# Altium PCB PCB ASCII (pokey v1.0-A01).PcbDoc (part 1 of 5)
Units mil, origin at the board's own origin, x right, y up, seen from the top; angles counter-clockwise.
Board outline 14208.66 x 3708.66 mil, 4 copper layers (Top Layer, Mid-Layer 1, Mid-Layer 2, Bottom Layer), stack 61.2 mil thick; 385 components, 209 nets, 1413 pads, 947 vias.
Unrouted connection lines stored in the file: 121.
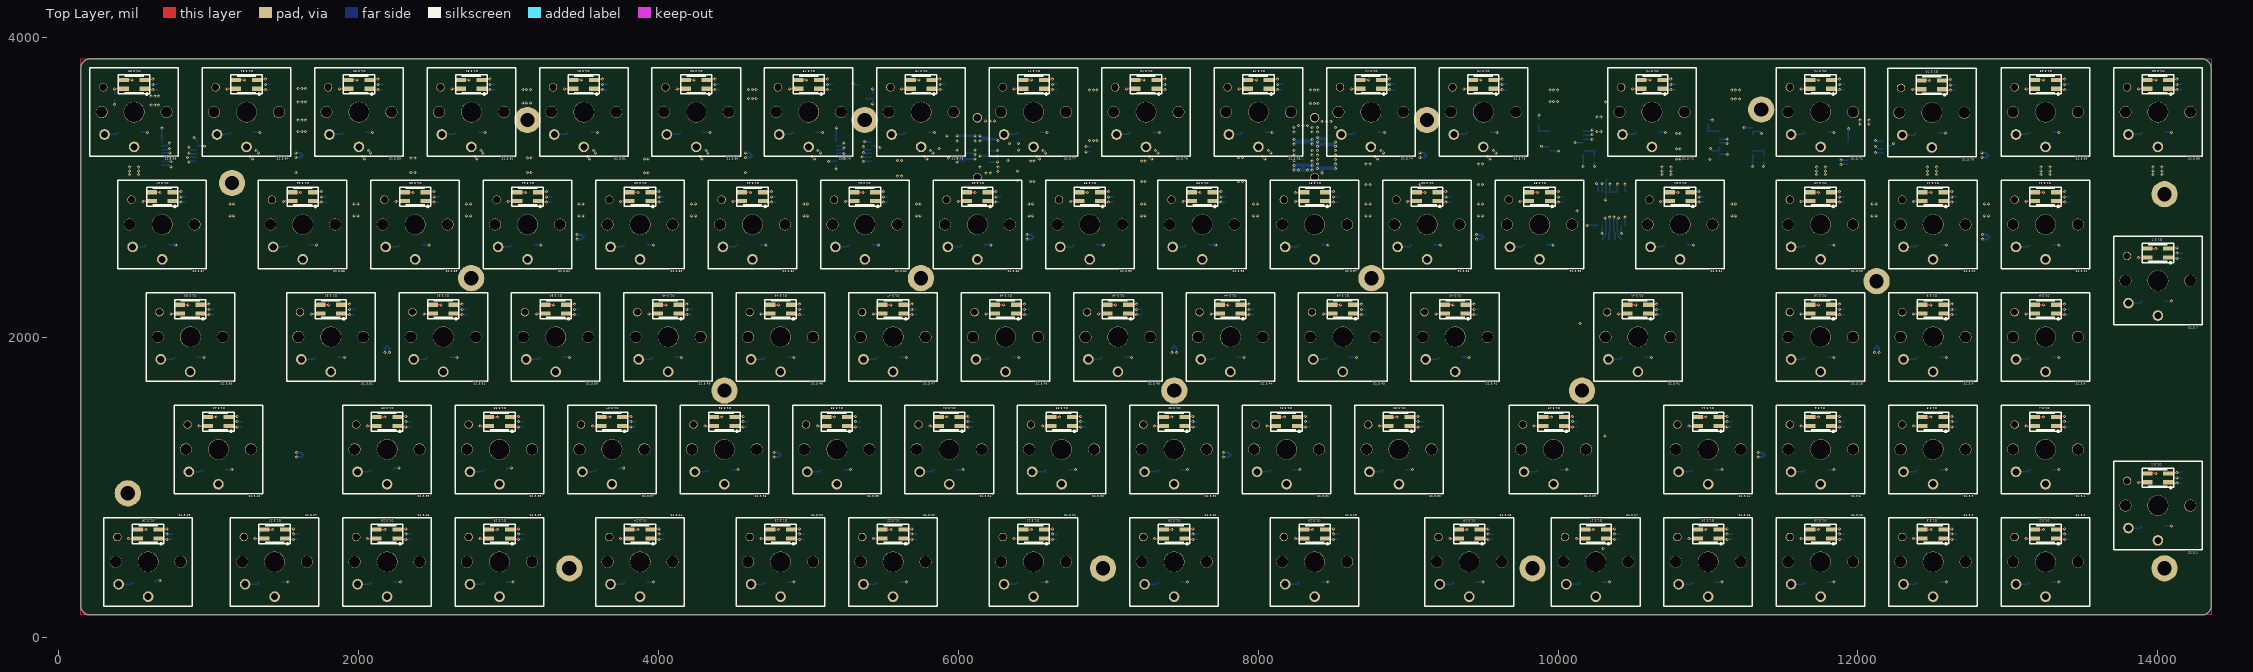
[diagram p0: Top Layer view]
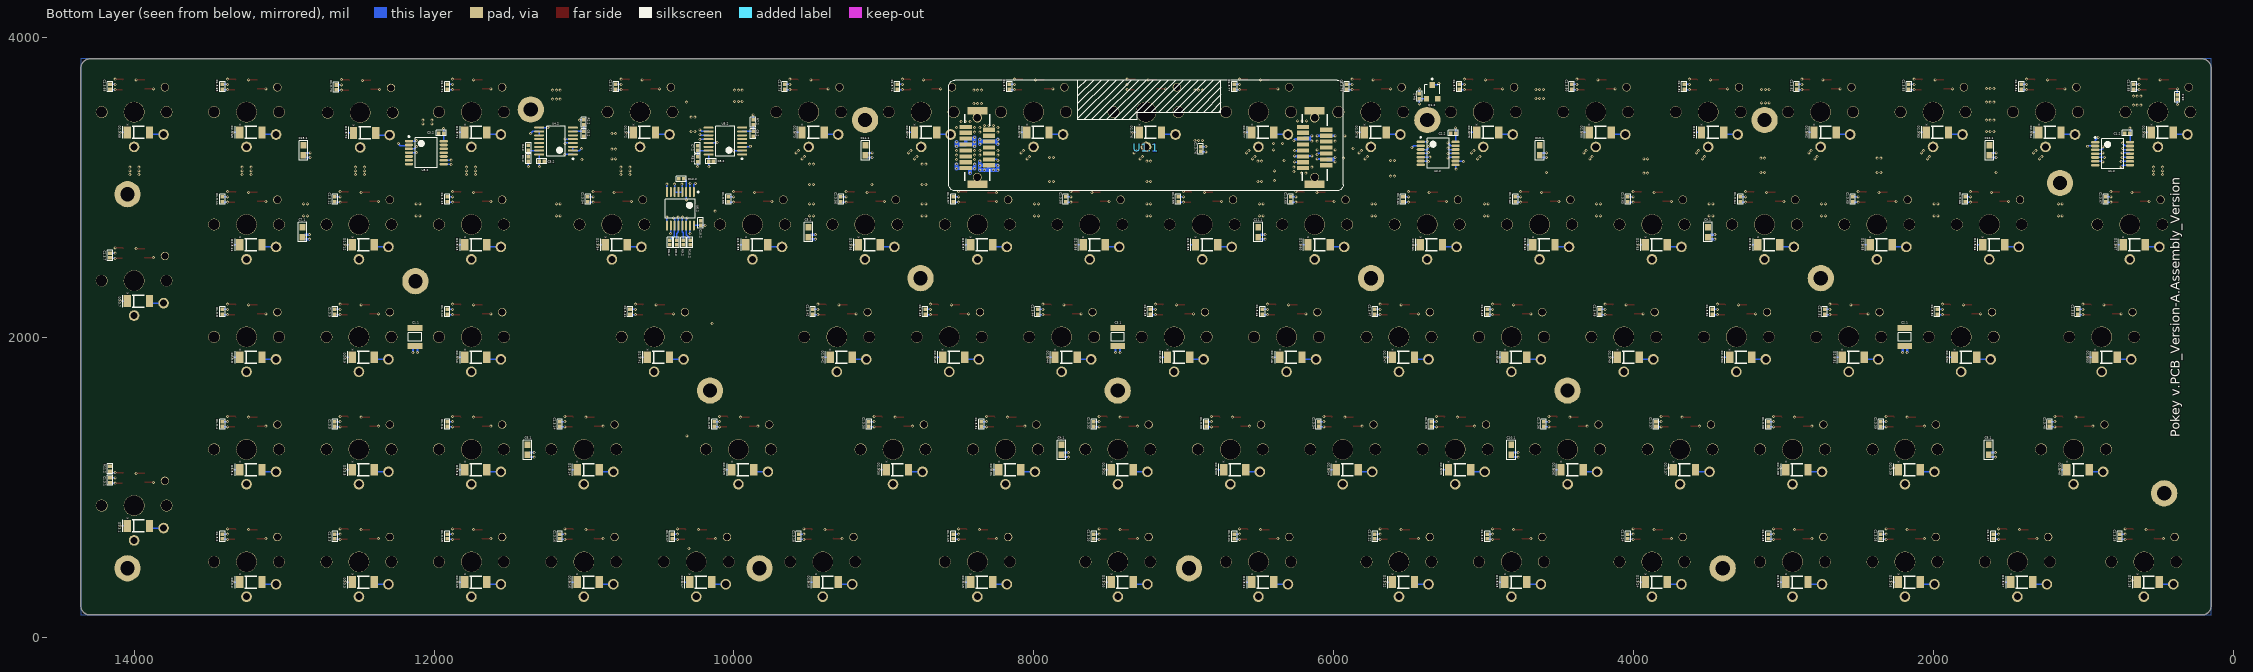
[diagram p1: Bottom Layer view, seen from below]
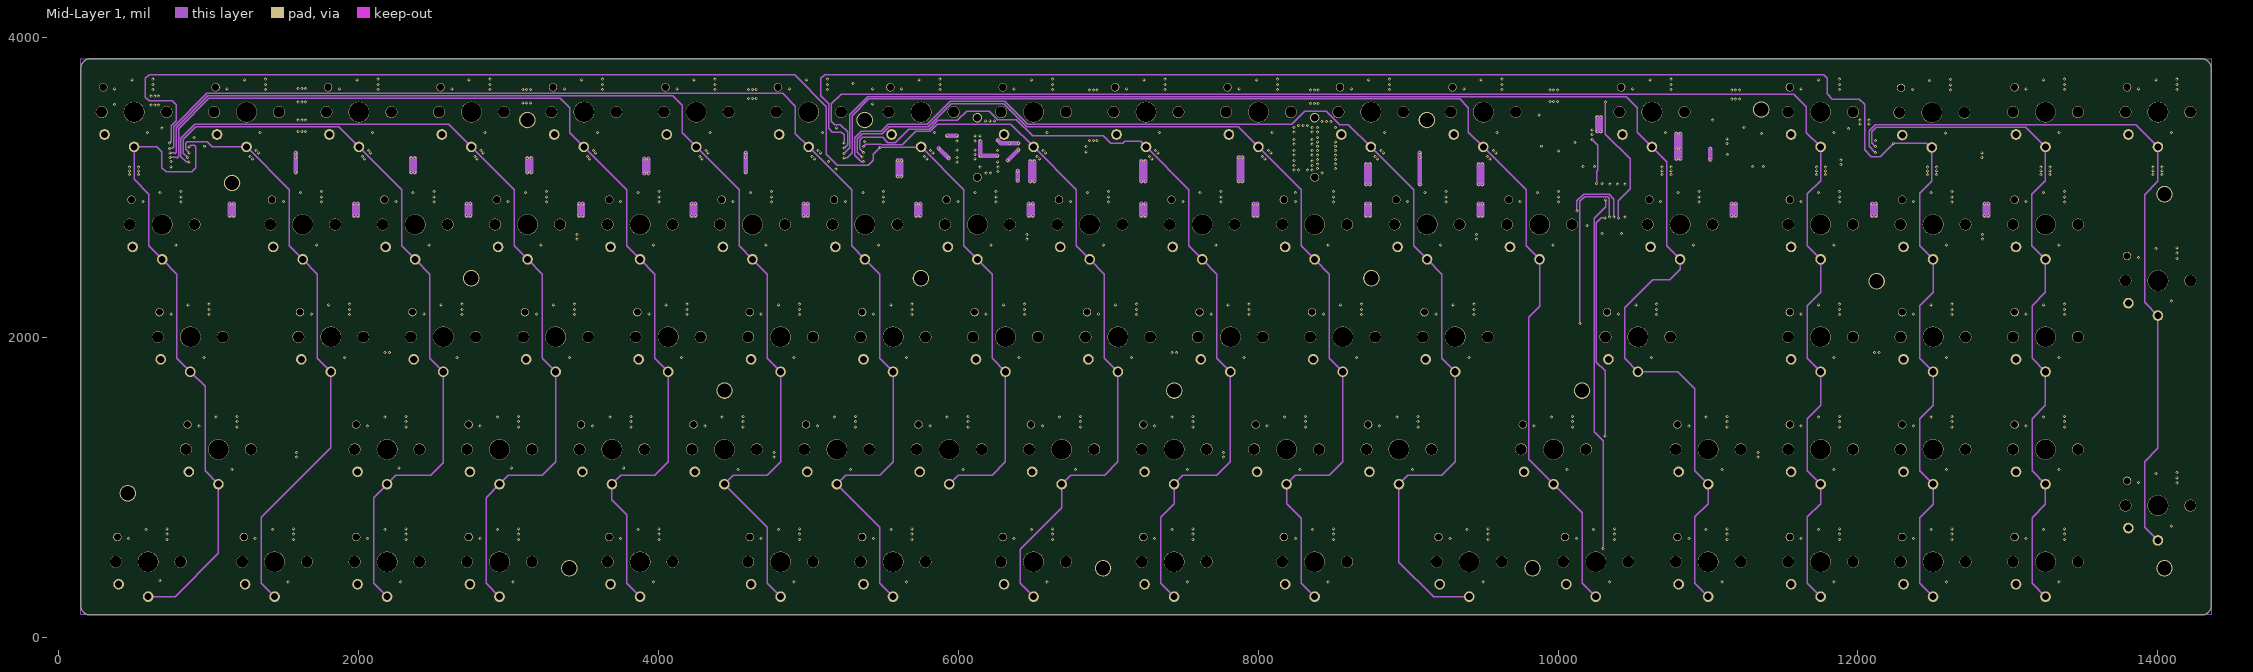
[diagram p2: Mid-Layer 1]
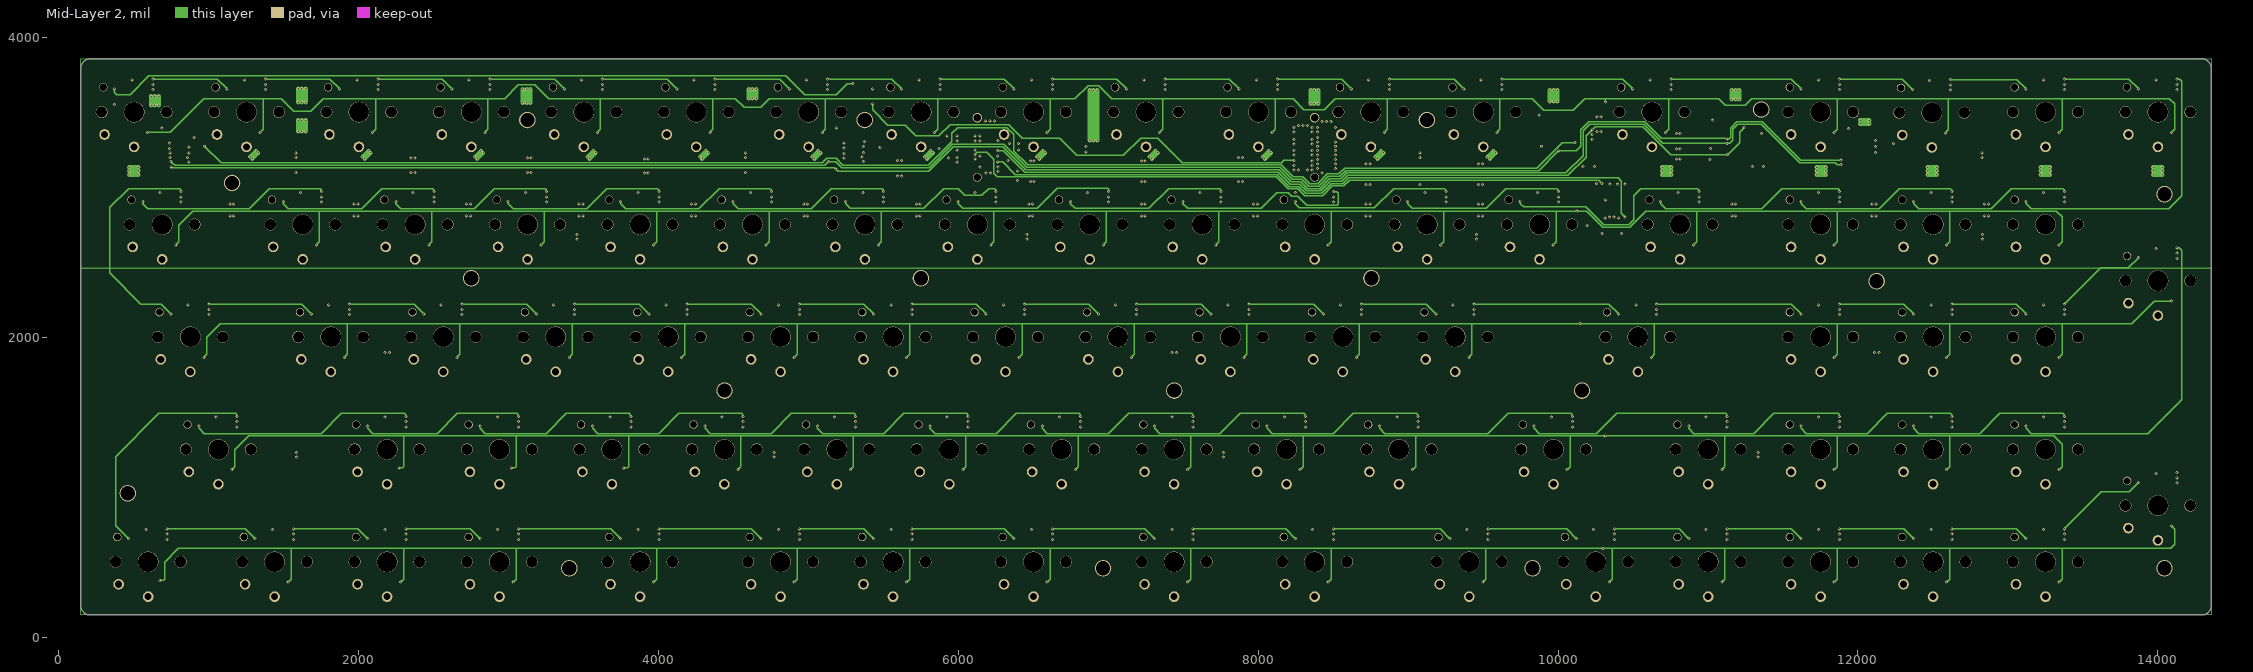
[diagram p3: Mid-Layer 2]

## Layer stack, top to bottom
Top Solder: solder mask 0.4, Solder Resist, Dk 3.5
Top Layer: signal copper 1.4
Dielectric 1: core 25.3, FR-4, Dk 4.2
Mid-Layer 1: signal copper 1.4
Dielectric2: prepreg 5, FR-4, Dk 4.2
Mid-Layer 2: signal copper 1.4
Dielectric3: core 25.3, FR-4, Dk 4.2
Bottom Layer: signal copper 1.4
Bottom Solder: solder mask 0.4, Solder Resist, Dk 3.5

## Board outline
206.14,148.66 cw(c206.14,207.72) 147.08,207.72 147.08,3798.27 cw(c206.14,3798.27) 206.14,3857.32 14296.69,3857.32 cw(c14296.69,3798.27) 14355.74,3798.27 14355.74,225.11 14355.69,225.06 14355.69,207.72 cw(c14296.64,207.72) 14296.64,148.66

## Design rules (kind name [scope] priority, off if disabled: settings)
AssemblyTestPointUsage [All] p0 off: scope1count=1 scope1_0_kind=Board scope1_0_value=Board scope2count=1 scope2_0_kind=Board scope2_0_value=Board commentlength=54 // Protel DXP Scope 1 Expression Was: NetPinCount > 1
AssemblyTestPointUsage [NetPinCount > 1] p1: allowmultiple=TRUE
AssemblyTestpoint [All] p0: scope1count=1 scope1_0_kind=Board scope1_0_value=Board scope2count=1 scope2_0_kind=Board scope2_0_value=Board commentlength=0
AssemblyTestpoint "AssemblyTestpoint Pad" [All] p0 off: scope1count=1 scope1_0_kind=Board scope1_0_value=Board scope2count=1 scope2_0_kind=Board scope2_0_value=Board commentlength=108 // Protel DXP Scope 1 Expression Was: (IsPad And (OnTopLayer Or OnBottomLayer)) Or (IsPad And OnMultiLayer)
AssemblyTestpoint "AssemblyTestpoint Via Both" [All] p0 off: scope1count=1 scope1_0_kind=Board scope1_0_value=Board scope2count=1 scope2_0_kind=Board scope2_0_value=Board commentlength=123 // Protel DXP Scope 1 Expression Was: (IsVia) and (SolderMaskTentingBottom = 'False') and (SolderMaskTentingTop = 'False')
AssemblyTestpoint "AssemblyTestpoint Via Bottom" [All] p0 off: scope1count=1 scope1_0_kind=Board scope1_0_value=Board scope2count=1 scope2_0_kind=Board scope2_0_value=Board commentlength=122 // Protel DXP Scope 1 Expression Was: (IsVia) and (SolderMaskTentingBottom = 'False') and (SolderMaskTentingTop = 'True')
AssemblyTestpoint "AssemblyTestpoint Via Top" [All] p0 off: scope1count=1 scope1_0_kind=Board scope1_0_value=Board scope2count=1 scope2_0_kind=Board scope2_0_value=Board commentlength=122 // Protel DXP Scope 1 Expression Was: (IsVia) and (SolderMaskTentingTop = 'False') and (SolderMaskTentingBottom = 'True')
AssemblyTestpoint "AssemblyTestpoint Via Top" [(IsVia) and (SolderMaskTentingTop = 'False') and (SolderMaskTentingBottom = 'True')] p1: testpointundercomponent=FALSE minsize=16 maxsize=500 preferedsize=60 minholesize=0 maxholesize=500 preferedholesize=32 testpointgrid=1 usegrid=FALSE gridtolerance=0.01 allowsidetop=TRUE
AssemblyTestpoint "AssemblyTestpoint Via Bottom" [(IsVia) and (SolderMaskTentingBottom = 'False') and (SolderMaskTentingTop = 'True')] p2: testpointundercomponent=FALSE minsize=16 maxsize=500 preferedsize=60 minholesize=0 maxholesize=500 preferedholesize=32 testpointgrid=1 usegrid=FALSE gridtolerance=0.01 allowsidebottom=TRUE
AssemblyTestpoint "AssemblyTestpoint Via Both" [(IsVia) and (SolderMaskTentingBottom = 'False') and (SolderMaskTentingTop = 'False')] p3: testpointundercomponent=FALSE minsize=16 maxsize=500 preferedsize=60 minholesize=0 maxholesize=500 preferedholesize=32 testpointgrid=1 usegrid=FALSE gridtolerance=0.01 allowsidetop=TRUE allowsidebottom=TRUE
AssemblyTestpoint "AssemblyTestpoint Pad" [(IsPad And (OnTopLayer Or OnBottomLayer)) Or (IsPad And OnMultiLayer)] p4: testpointundercomponent=TRUE minsize=20 maxsize=10000 preferedsize=60 minholesize=0 maxholesize=500 preferedholesize=32 testpointgrid=1 usegrid=FALSE gridtolerance=0.01 allowsidetop=TRUE allowsidebottom=TRUE
AssemblyTestpoint [All] p5: testpointundercomponent=FALSE minsize=0 maxsize=5000 preferedsize=60 minholesize=0 maxholesize=5000 preferedholesize=32 testpointgrid=1 usegrid=FALSE gridtolerance=0.01 allowsidetop=TRUE allowsidebottom=TRUE
BoardOutlineClearance "Silk BoardOutlineClearance" [All] p0 off: scope1count=1 scope1_0_kind=Board scope1_0_value=Board scope2count=1 scope2_0_kind=Board scope2_0_value=Board commentlength=90 gap=5 // Protel DXP Scope 1 Expression Was: OnLayer('Top Overlay') or OnLayer('Bottom Overlay')
BoardOutlineClearance [All] p0: scope1count=1 scope1_0_kind=Board scope1_0_value=Board scope2count=1 scope2_0_kind=Board scope2_0_value=Board commentlength=0 gap=10
BoardOutlineClearance "Silk BoardOutlineClearance" [OnLayer('Top Overlay') or OnLayer('Bottom Overlay')] p1: gap=5 ignorepadtopadclearanceinfootprint=FALSE
BoardOutlineClearance [All] p2: gap=10 ignorepadtopadclearanceinfootprint=FALSE except(15: Poly-OutlineEdge Poly-CavityEdge Poly-CutoutEdge Poly-SplitBarrior Poly-SplitContinuation)
Clearance Clearance_1 [All] p0: scope1count=1 scope1_0_kind=Board scope1_0_value=Board scope2count=1 scope2_0_kind=Board scope2_0_value=Board commentlength=0 gap=6
Clearance "Fiducial Clearance" [All] p0 off: scope1count=1 scope1_0_kind=Board scope1_0_value=Board scope2count=1 scope2_0_kind=Board scope2_0_value=Board commentlength=211 gap=0 // Protel DXP Scope 1 Expression Was: InComponent('M7.1') or InComponent('M1.1')  or InComponent('M2.1')   or InComponent('M3.1')    or InComponent('M4.1')     or InComponent('M5.1')      or InComponent('M6.1')
Clearance "Other Polygon Clearance" [All] p0 off: scope1count=1 scope1_0_kind=Board scope1_0_value=Board scope2count=1 scope2_0_kind=Board scope2_0_value=Board commentlength=48 gap=10 // Protel DXP Scope 1 Expression Was: InPolygon
Clearance "Outer Layer Polygon Clearance" [All] p0 off: scope1count=1 scope1_0_kind=Board scope1_0_value=Board scope2count=1 scope2_0_kind=Board scope2_0_value=Board commentlength=72 gap=6 // Protel DXP Scope 1 Expression Was: InPolygon and (ontop or OnBottom)
Clearance "Board Edge Clearance" [All] p0 off: scope1count=1 scope1_0_kind=Board scope1_0_value=Board scope2count=1 scope2_0_kind=Board scope2_0_value=Board commentlength=53 gap=15 // Protel DXP Scope 2 Expression Was: IsBoardOutline
Clearance "Board Edge Clearance" [IsElectrical vs IsBoardOutline] p1: gap=15 ignorepadtopadclearanceinfootprint=FALSE
Clearance "Outer Layer Polygon Clearance" [InPolygon and (ontop or OnBottom)] p2: gap=6 ignorepadtopadclearanceinfootprint=FALSE
Clearance "Other Polygon Clearance" [InPolygon] p3: gap=10 ignorepadtopadclearanceinfootprint=FALSE
Clearance "Fiducial Clearance" [InComponent('M7.1') or InComponent('M1.1')  or InComponent('M2.1')   or InComponent('M3.1')    or InComponent('M4.1')     or InComponent('M5.1')      or InComponent('M6.1')] p4: gap=0 ignorepadtopadclearanceinfootprint=FALSE
Clearance Clearance_1 [All] p5: gap=6 ignorepadtopadclearanceinfootprint=FALSE
ComponentClearance ComponentClearance_1 [All] p0 off: scope1count=1 scope1_0_kind=Board scope1_0_value=Board scope2count=1 scope2_0_kind=Board scope2_0_value=Board commentlength=47 gap=10 collisioncheckmode=3 // Protel DXP Scope 2 Expression Was: OnBottom
ComponentClearance [All] p0 off: scope1count=1 scope1_0_kind=Board scope1_0_value=Board scope2count=1 scope2_0_kind=Board scope2_0_value=Board commentlength=44 gap=10 collisioncheckmode=3 // Protel DXP Scope 2 Expression Was: OnTop
ComponentClearance [OnTop vs OnTop] p1: gap=10 collisioncheckmode=3 verticalgap=100000 showdistances=FALSE
ComponentClearance ComponentClearance_1 [OnBottom vs OnBottom] p2: gap=10 collisioncheckmode=3 verticalgap=100000 showdistances=FALSE
DiffPairsRouting [All] p0: scope1count=1 scope1_0_kind=Board scope1_0_value=Board scope2count=1 scope2_0_kind=Board scope2_0_value=Board commentlength=0
DiffPairsRouting [All] p1: maxlimit=30 minlimit=5 mostfreqgap=5 toplayer_minwidth=5 toplayer_maxwidth=100 toplayer_prefwidth=15 midlayer1_minwidth=5 midlayer1_maxwidth=100 midlayer1_prefwidth=15 midlayer2_minwidth=5 midlayer2_maxwidth=100 midlayer2_prefwidth=15 bottomlayer_minwidth=5 bottomlayer_maxwidth=100 bottomlayer_prefwidth=15 maxuncoupledlength=500
FabricationTestPointUsage [All] p0 off: scope1count=1 scope1_0_kind=Board scope1_0_value=Board scope2count=1 scope2_0_kind=Board scope2_0_value=Board commentlength=54 valid=0 allowmultiple=TRUE // Protel DXP Scope 1 Expression Was: NetPinCount > 1
FabricationTestPointUsage [NetPinCount > 1] p1 off: valid=0 allowmultiple=TRUE
FabricationTestpoint [All] p0: scope1count=1 scope1_0_kind=Board scope1_0_value=Board scope2count=1 scope2_0_kind=Board scope2_0_value=Board commentlength=0 side=3 testpointundercomponent=TRUE minsize=12 maxsize=10000 preferedsize=30 minholesize=0 maxholesize=200 preferedholesize=32 testpointgrid=1
FabricationTestpoint [All] p1: side=3 testpointundercomponent=TRUE minsize=12 maxsize=10000 preferedsize=30 minholesize=0 maxholesize=200 preferedholesize=32 testpointgrid=1 allowsidetop=TRUE allowsidebottom=TRUE usegrid=FALSE gridtolerance=0.01
FanoutControl Fanout_Default [All] p0: scope1count=1 scope1_0_kind=Board scope1_0_value=Board scope2count=1 scope2_0_kind=Board scope2_0_value=Board commentlength=30 // Fanout_Default (Default Rule)
FanoutControl Fanout_Small [All] p0 off: scope1count=1 scope1_0_kind=Board scope1_0_value=Board scope2count=1 scope2_0_kind=Board scope2_0_value=Board commentlength=84 // Protel DXP Scope 1 Expression Was: (CompPinCount < 5)   Fanout_Small (Default Rule)
FanoutControl Fanout_SOIC [All] p0 off: scope1count=1 scope1_0_kind=Board scope1_0_value=Board scope2count=1 scope2_0_kind=Board scope2_0_value=Board commentlength=71 // Protel DXP Scope 1 Expression Was: IsSOIC   Fanout_SOIC (Default Rule)
FanoutControl Fanout_LCC [All] p0 off: scope1count=1 scope1_0_kind=Board scope1_0_value=Board scope2count=1 scope2_0_kind=Board scope2_0_value=Board commentlength=69 // Protel DXP Scope 1 Expression Was: IsLCC   Fanout_LCC (Default Rule)
FanoutControl Fanout_BGA [All] p0 off: scope1count=1 scope1_0_kind=Board scope1_0_value=Board scope2count=1 scope2_0_kind=Board scope2_0_value=Board commentlength=69 // Protel DXP Scope 1 Expression Was: IsBGA   Fanout_BGA (Default Rule)
Height [All] p0: scope1count=1 scope1_0_kind=Board scope1_0_value=Board scope2count=1 scope2_0_kind=Board scope2_0_value=Board commentlength=0
HoleSize [All] p0: scope1count=1 scope1_0_kind=Board scope1_0_value=Board scope2count=1 scope2_0_kind=Board scope2_0_value=Board commentlength=0 absolutevalues=TRUE maxlimit=250 minlimit=1 maxpercent=80.000 minpercent=20.000
HoleSize [All] p1: absolutevalues=TRUE maxlimit=250 minlimit=1 maxpercent=80.000 minpercent=20.000
HoleToHoleClearance [All] p0: scope1count=1 scope1_0_kind=Board scope1_0_value=Board scope2count=1 scope2_0_kind=Board scope2_0_value=Board commentlength=0
LayerPairs [All] p0: scope1count=1 scope1_0_kind=Board scope1_0_value=Board scope2count=1 scope2_0_kind=Board scope2_0_value=Board commentlength=0 enforce=TRUE
MinimumSolderMaskSliver [All] p0: scope1count=1 scope1_0_kind=Board scope1_0_value=Board scope2count=1 scope2_0_kind=Board scope2_0_value=Board commentlength=0
MinimumSolderMaskSliver [All] p1: minsoldermaskwidth=0
NetAntennae [All] p0: scope1count=1 scope1_0_kind=Board scope1_0_value=Board scope2count=1 scope2_0_kind=Board scope2_0_value=Board commentlength=0
PasteMaskExpansion [All] p0: scope1count=1 scope1_0_kind=Board scope1_0_value=Board scope2count=1 scope2_0_kind=Board scope2_0_value=Board commentlength=0 expansion=-2
PasteMaskExpansion [All] p1: expansion=-2
PermittedLayers [All] p0: scope1count=1 scope1_0_kind=Board scope1_0_value=Board scope2count=1 scope2_0_kind=Board scope2_0_value=Board commentlength=0 toplayerpermitted=TRUE bottomlayerpermitted=TRUE
PermittedLayers [All] p1: toplayerpermitted=TRUE bottomlayerpermitted=TRUE
PlaneClearance [All] p0: scope1count=1 scope1_0_kind=Board scope1_0_value=Board scope2count=1 scope2_0_kind=Board scope2_0_value=Board commentlength=0 clearance=10
PlaneClearance [All] p1: clearance=10
PlaneConnect [All] p0: scope1count=1 scope1_0_kind=Board scope1_0_value=Board scope2count=1 scope2_0_kind=Board scope2_0_value=Board commentlength=0 planeconnectstyle=Direct reliefexpansion=20 reliefentries=4 reliefconductorwidth=10 reliefairgap=10
PlaneConnect [All] p1: planeconnectstyle=Direct reliefexpansion=20 reliefentries=4 reliefconductorwidth=10 reliefairgap=10
PolygonConnect "Pad Connect" [All] p0 off: scope1count=1 scope1_0_kind=Board scope1_0_value=Board scope2count=1 scope2_0_kind=Board scope2_0_value=Board commentlength=44 connectstyle=Relief reliefconductorwidth=15 reliefentries=4 polygonreliefangle="90 Angle" // Protel DXP Scope 1 Expression Was: IsPad
PolygonConnect "Via Connect" [All] p0 off: scope1count=1 scope1_0_kind=Board scope1_0_value=Board scope2count=1 scope2_0_kind=Board scope2_0_value=Board commentlength=44 connectstyle=Direct reliefconductorwidth=10 reliefentries=4 polygonreliefangle="90 Angle" // Protel DXP Scope 2 Expression Was: IsVia
PolygonConnect "Via Connect" [All vs IsVia] p1: connectstyle=Direct reliefconductorwidth=10 reliefentries=4 polygonreliefangle="90 Angle" airgapwidth=10
PolygonConnect "Pad Connect" [IsPad] p2: thpad.connectstyle=Relief thpad.reliefconductorwidth=15 thpad.reliefentries=4 thpad.polygonreliefangle="90 Angle" thpad.airgapwidth=10 smdpad.connectstyle=Relief smdpad.reliefconductorwidth=10 smdpad.reliefentries=4 smdpad.polygonreliefangle="90 Angle" smdpad.airgapwidth=10 via.connectstyle=Direct via.reliefconductorwidth=10 via.reliefentries=4 via.polygonreliefangle="90 Angle" via.airgapwidth=10
RoomDefinition U120 [All] p0: scope1count=1 scope1_0_kind=ComponentClass scope1_0_value=U120 scope2count=1 scope2_0_kind=Board scope2_0_value=Board commentlength=0 region_x1=71250000 region_y1=1875000 region_x2=77500000 region_y2=8175000 confinementstyle=ConfineIn
RoomDefinition U119 [All] p0: scope1count=1 scope1_0_kind=ComponentClass scope1_0_value=U119 scope2count=1 scope2_0_kind=Board scope2_0_value=Board commentlength=0 region_x1=80625000 region_y1=1875000 region_x2=86875000 region_y2=8175000 confinementstyle=ConfineIn
RoomDefinition U118 [All] p0: scope1count=1 scope1_0_kind=ComponentClass scope1_0_value=U118 scope2count=1 scope2_0_kind=Board scope2_0_value=Board commentlength=0 region_x1=90937500 region_y1=1875000 region_x2=97187500 region_y2=8175000 confinementstyle=ConfineIn
RoomDefinition U176 [All] p0: scope1count=1 scope1_0_kind=ComponentClass scope1_0_value=U176 scope2count=1 scope2_0_kind=Board scope2_0_value=Board commentlength=0 region_x1=68600000 region_y1=31875000 region_x2=75625000 region_y2=38175000 confinementstyle=ConfineIn
RoomDefinition U178 [All] p0: scope1count=1 scope1_0_kind=ComponentClass scope1_0_value=U178 scope2count=1 scope2_0_kind=Board scope2_0_value=Board commentlength=0 region_x1=54375000 region_y1=31875000 region_x2=60625000 region_y2=38175000 confinementstyle=ConfineIn
RoomDefinition U177 [All] p0: scope1count=1 scope1_0_kind=ComponentClass scope1_0_value=U177 scope2count=1 scope2_0_kind=Board scope2_0_value=Board commentlength=0 region_x1=61875000 region_y1=31875000 region_x2=68125000 region_y2=38175000 confinementstyle=ConfineIn
RoomDefinition U185 [All] p0: scope1count=1 scope1_0_kind=ComponentClass scope1_0_value=U185 scope2count=1 scope2_0_kind=Board scope2_0_value=Board commentlength=0 region_x1=1875000 region_y1=31875000 region_x2=8125000 region_y2=38175000 confinementstyle=ConfineIn
RoomDefinition U184 [All] p0: scope1count=1 scope1_0_kind=ComponentClass scope1_0_value=U184 scope2count=1 scope2_0_kind=Board scope2_0_value=Board commentlength=0 region_x1=9375000 region_y1=31875000 region_x2=15625000 region_y2=38175000 confinementstyle=ConfineIn
RoomDefinition U183 [All] p0: scope1count=1 scope1_0_kind=ComponentClass scope1_0_value=U183 scope2count=1 scope2_0_kind=Board scope2_0_value=Board commentlength=0 region_x1=16875000 region_y1=31875000 region_x2=23125000 region_y2=38175000 confinementstyle=ConfineIn
RoomDefinition U182 [All] p0: scope1count=1 scope1_0_kind=ComponentClass scope1_0_value=U182 scope2count=1 scope2_0_kind=Board scope2_0_value=Board commentlength=0 region_x1=24375000 region_y1=31875000 region_x2=30625000 region_y2=38175000 confinementstyle=ConfineIn
RoomDefinition U181 [All] p0: scope1count=1 scope1_0_kind=ComponentClass scope1_0_value=U181 scope2count=1 scope2_0_kind=Board scope2_0_value=Board commentlength=0 region_x1=31875000 region_y1=31875000 region_x2=38125000 region_y2=38175000 confinementstyle=ConfineIn
RoomDefinition U180 [All] p0: scope1count=1 scope1_0_kind=ComponentClass scope1_0_value=U180 scope2count=1 scope2_0_kind=Board scope2_0_value=Board commentlength=0 region_x1=39375000 region_y1=31875000 region_x2=45625000 region_y2=38175000 confinementstyle=ConfineIn
RoomDefinition U179 [All] p0: scope1count=1 scope1_0_kind=ComponentClass scope1_0_value=U179 scope2count=1 scope2_0_kind=Board scope2_0_value=Board commentlength=0 region_x1=46875000 region_y1=31875000 region_x2=53125000 region_y2=38175000 confinementstyle=ConfineIn